# Altium PCB press.PcbDoc (part 2 of 2)
Units mm, origin at the board's own origin, x right, y up, seen from the top; angles counter-clockwise.
Board outline 85.85 x 55.75 mm, 2 copper layers (Top Layer, Bottom Layer); 179 components, 131 nets, 581 pads, 286 vias.
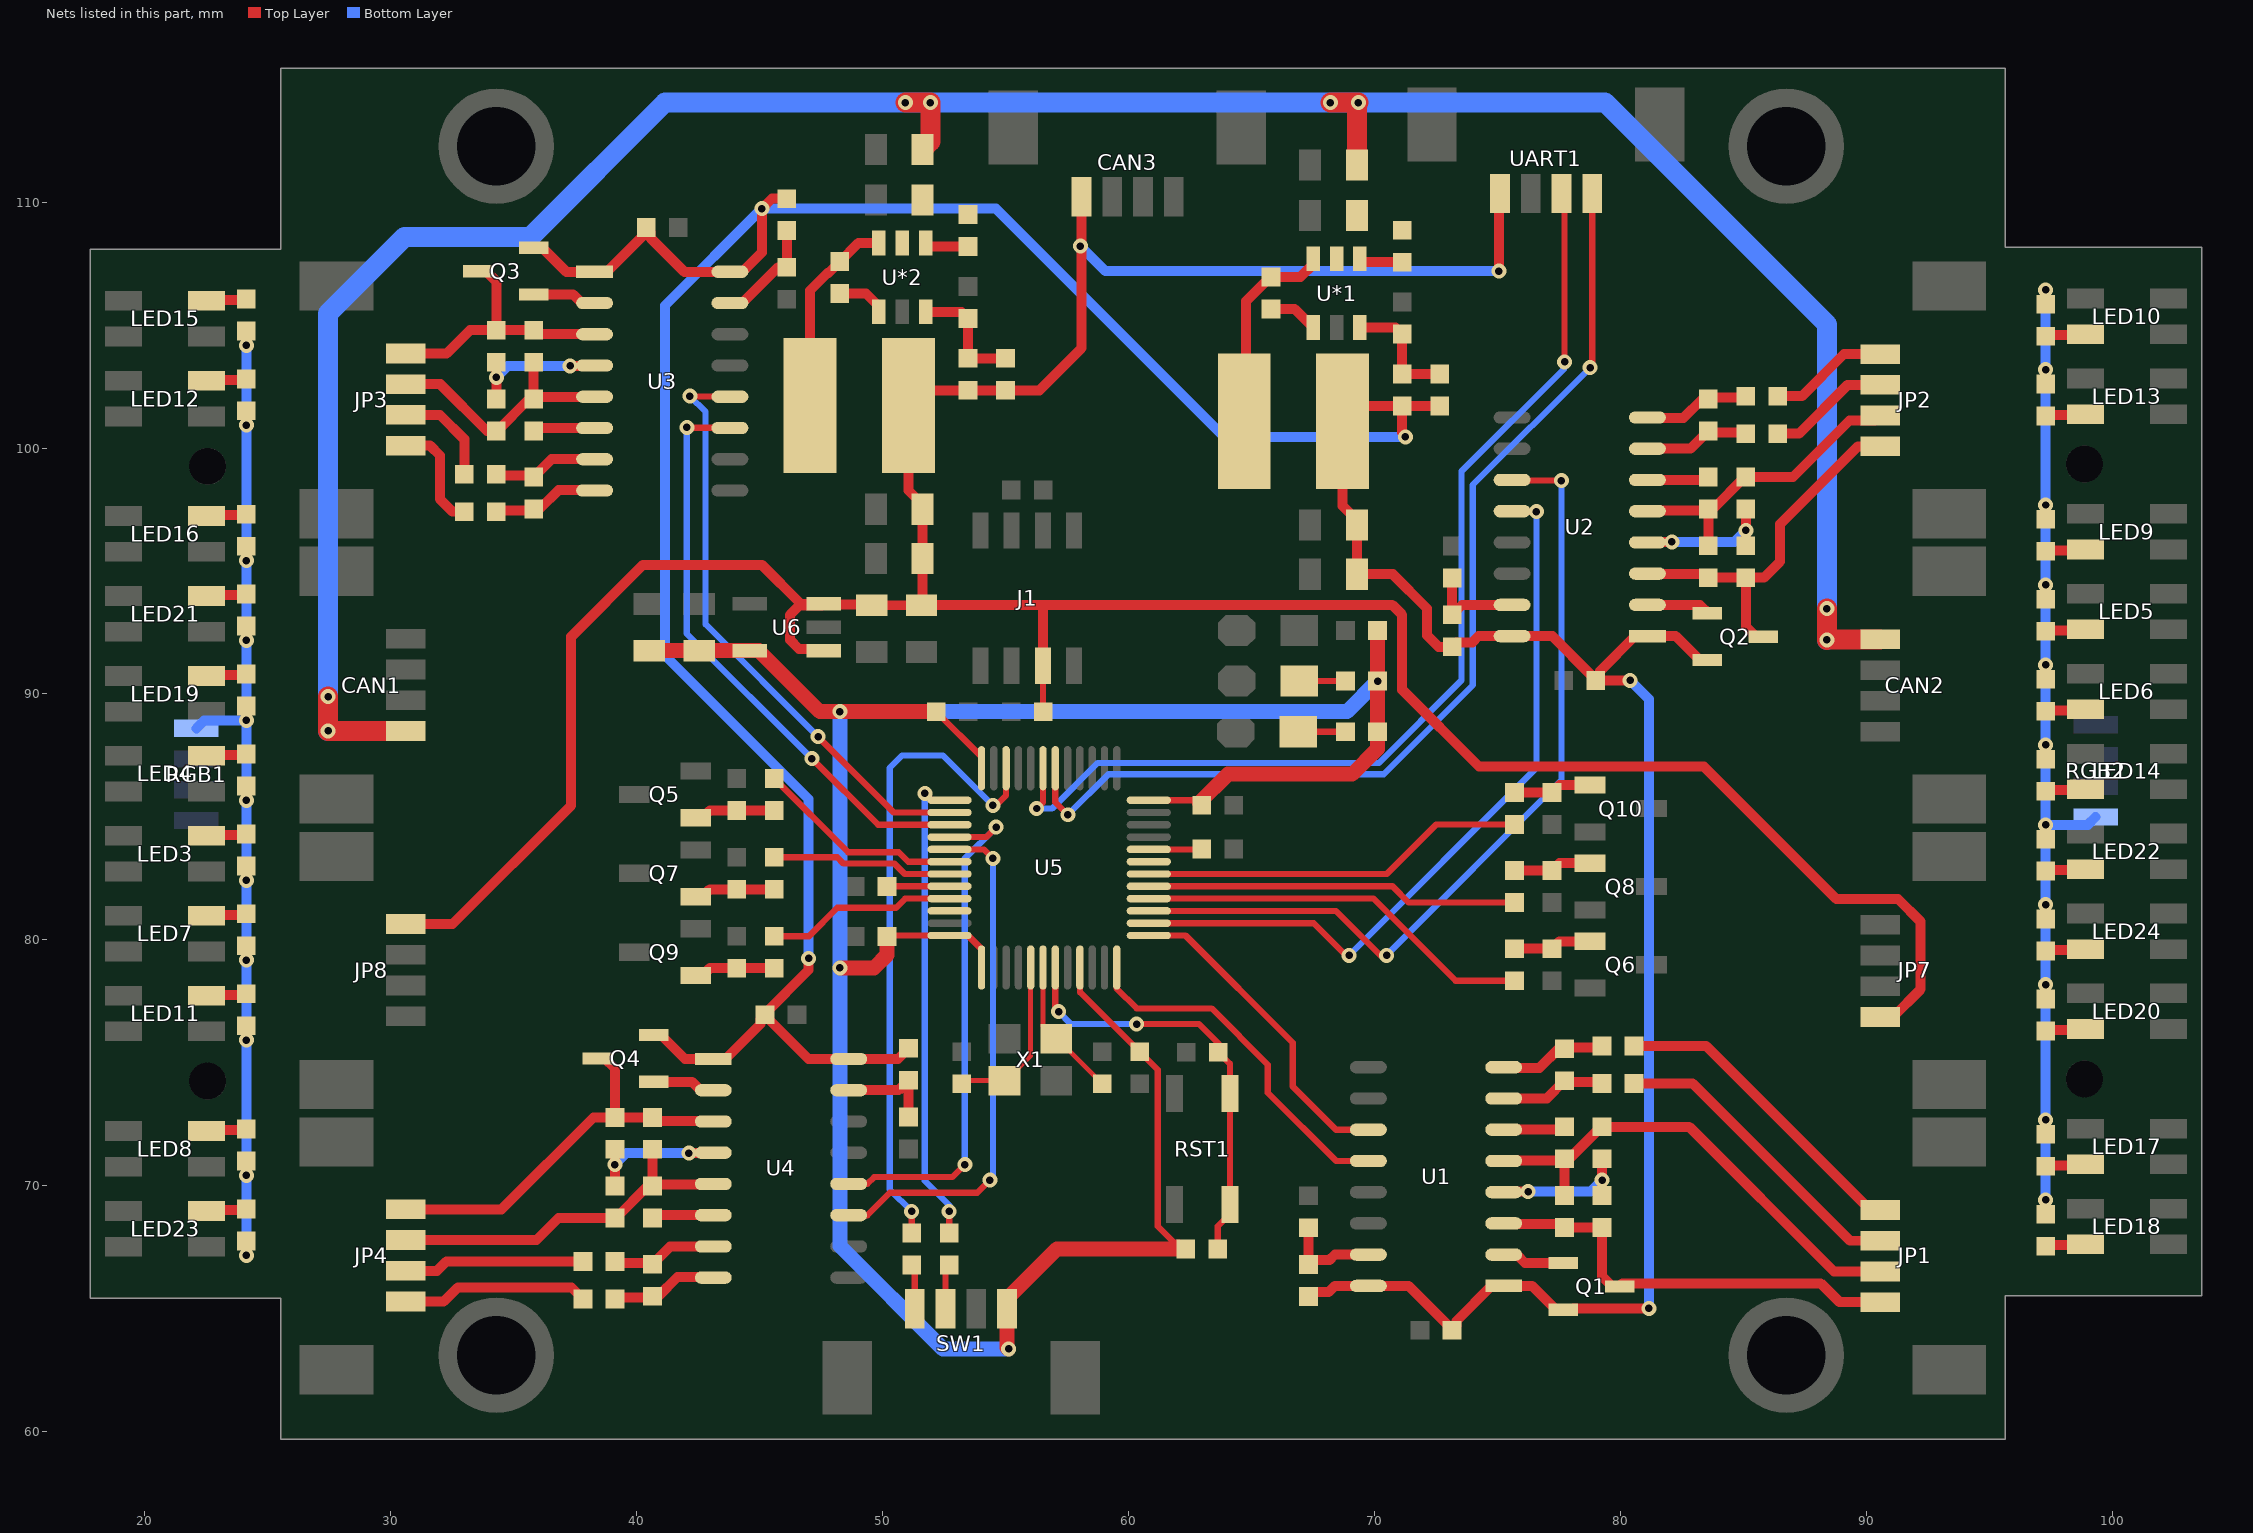
[diagram p2: the nets of this part, all layers, seen from the top]

## Via types
v1: diameter 0.61, hole 0.305, Top Layer to Bottom Layer, tented both sides, 286 vias

## Nets (pads, with @x,y where several pads share a name; then routed paths per layer and width w, separated by ;. In a path a pad name is that pad's centre, name@x,y a point inside that pad or via, vN(x,y) a via of type N, cw(c..) or ccw(c..) an arc to the next point about the centre after c; other vN are vias at no path point) (continued)
NET_RGB1_VCC: C25.2 C27.2 C34.1 C36.2 C37.2 C38.2 CAN3.4 J1.3 JP7.1 JP8.1 L2.2 R36.2 U6.1 U6.3 UART1.4 | length 136
  Top Layer w0.254: J1.3@56.515,91.147 56.515,89.296 C34.1@56.53,89.281
  Top Layer w0.406: JP8.1@30.607,80.647 32.514,80.647 37.338,85.471 37.338,92.329 40.259,95.25 45.085,95.25 46.675,93.66 U6.3@47.601,93.66 ; U6.1@47.601,91.76 47.529,91.832 46.598,91.832 46.228,92.202 46.228,93.218 46.598,93.588 47.529,93.588 U6.3@47.601,93.66 ; 56.464,93.574 56.413,93.624 ; J1.3@56.515,91.147 56.515,93.523 56.413,93.624 ; CAN3.4@58.083,110.219 58.083,104.057 56.373,102.347 C36.2@54.991,102.347 R36.2@53.467,102.347 51.668,102.347 L2.2@51.048,101.727 51.048,98.278 51.625,97.701 C37.2@51.625,97.51 C38.2@51.625,95.504 C25.2@51.625,93.649 ; v1(75.057,107.188) 75.057,110.303 UART1.4@75.101,110.346 ; JP7.1@90.551,76.87 91.076,76.87 92.202,77.996 92.202,80.743 91.284,81.661 88.773,81.661 83.384,87.05 74.24,87.05 71.12,90.17 71.12,93.218 70.714,93.624 56.413,93.624 ; U6.3@47.601,93.66 47.627,93.634 49.526,93.634 C27.2@49.552,93.607 C25.2@51.584,93.607 C25.2@51.625,93.649 ; C25.2@51.625,93.649 51.65,93.624 56.413,93.624
  Bottom Layer w0.406: v1(58.039,108.204) 59.055,107.188 v1(75.057,107.188)
NetC7_1: C7.1 R9.2 U1.7 | length 4.3
  Top Layer w0.406: U1.7@75.25,73.557 77.001,73.557 C7.1@77.724,74.28 77.78,74.224 79.192,74.224 R9.2@79.248,74.168
NetC7_2: C7.2 R11.2 U1.8 | length 4.4
  Top Layer w0.406: U1.8@75.25,74.827 75.274,74.803 76.708,74.803 77.485,75.58 C7.2@77.724,75.58 77.78,75.636 79.192,75.636 R11.2@79.248,75.692
NetC8_1: C8.1 R10.2 U2.7 | length 4.3
  Top Layer w0.406: U2.7@81.092,99.973 82.843,99.973 C8.1@83.566,100.696 83.622,100.64 85.034,100.64 R10.2@85.09,100.584
NetC8_2: C8.2 R12.2 U2.8 | length 4.4
  Top Layer w0.406: U2.8@81.092,101.243 81.116,101.219 82.55,101.219 83.327,101.996 C8.2@83.566,101.996 83.622,102.052 85.034,102.052 R12.2@85.09,102.108
NetC15_1: C15.1 R21.2 U3.7 | length 4.3
  Top Layer w0.406: R21.2@34.29,98.933 34.346,98.877 35.758,98.877 C15.1@35.814,98.821 36.537,99.544 U3.7@38.288,99.544
NetC15_2: C15.2 R23.2 U3.8 | length 4.4
  Top Layer w0.406: R23.2@34.29,97.409 34.346,97.465 35.758,97.465 C15.2@35.814,97.521 36.053,97.521 36.83,98.298 38.264,98.298 U3.8@38.288,98.274
NetC16_1: C16.1 R22.2 U4.7 | length 4.3
  Top Layer w0.406: R22.2@39.116,66.929 39.172,66.873 40.584,66.873 C16.1@40.64,66.817 41.363,67.54 U4.7@43.114,67.54
NetC16_2: C16.2 R24.2 U4.8 | length 4.4
  Top Layer w0.406: R24.2@39.116,65.405 39.172,65.461 40.584,65.461 C16.2@40.64,65.517 40.879,65.517 41.656,66.294 43.09,66.294 U4.8@43.114,66.27
NetC17_1: C17.1 U*1.1 | length 2
  Top Layer w0.406: C17.1@65.786,105.649 66.753,105.649 U*1.1@67.503,104.899
NetC17_2: C17.2 L1.1 U*1.6 | length 8.5
  Top Layer w0.406: L1.1@64.701,101.092 64.77,101.161 64.77,105.97 65.572,106.771 65.608,106.771 C17.2@65.786,106.949 66.978,106.949 67.503,107.474 U*1.6@67.503,107.699
NetC18_1: C18.1 R27.1 R28.2 U*1.3 | length 5
  Top Layer w0.406: U*1.3@69.403,104.899 70.854,104.899 R28.2@71.12,104.633 R27.1@71.12,103.012 C18.1@72.644,103.012
NetC23_1: C23.1 U5.5 X1.3 | length 6.9
  Top Layer w0.203: C23.1@53.213,74.153 53.337,74.277 X1.3@54.957,74.277 55.007,74.277 56.019,75.289 U5.5@56.019,78.881
NetC24_1: C24.1 U5.6 X1.1 | length 5.8
  Top Layer w0.203: U5.6@56.519,78.881 56.519,76.476 57.017,75.977 X1.1@57.057,75.977 57.107,75.977 57.605,75.479 57.605,75.476 C24.1@58.928,74.153
NetC35_1: C35.1 U*2.1 | length 2
  Top Layer w0.406: C35.1@48.26,106.284 49.325,106.284 49.85,105.759 U*2.1@49.85,105.534
NetC35_2: C35.2 L2.1 U*2.6 | length 8.3
  Top Layer w0.406: L2.1@47.048,101.727 47.048,106.409 47.758,107.119 47.795,107.119 C35.2@48.26,107.584 49.01,108.334 U*2.6@49.85,108.334
NetC36_1: C36.1 R36.1 R38.2 U*2.3 | length 5
  Top Layer w0.406: U*2.3@51.75,105.534 53.201,105.534 R38.2@53.467,105.268 R36.1@53.467,103.647 C36.1@54.991,103.647
NetLED1_1: LED1.1 R37.2 | length 1.9
  Top Layer w0.254: LED1.1@66.899,88.468 R37.2@68.819,88.468
NetLED2_1: LED2.1 R39.2 | length 1.9
  Top Layer w0.254: LED2.1@66.929,90.526 R39.2@68.819,90.526
NetLED3_4: LED3.4 R40.2 | length 1.6
  Top Layer w0.406: LED3.4@22.517,84.233 22.556,84.271 24.091,84.271 R40.2@24.13,84.31
NetLED4_4: LED4.4 R41.2 | length 1.6
  Top Layer w0.406: LED4.4@22.517,87.483 22.556,87.521 24.091,87.521 R41.2@24.13,87.56
NetLED5_4: LED5.4 R42.2 | length 1.6
  Top Layer w0.406: R42.2@97.282,92.549 97.321,92.588 98.856,92.588 LED5.4@98.895,92.626
NetLED6_4: LED6.4 R43.2 | length 1.6
  Top Layer w0.406: R43.2@97.282,89.299 97.321,89.338 98.856,89.338 LED6.4@98.895,89.376
NetLED7_4: LED7.4 R44.2 | length 1.6
  Top Layer w0.406: LED7.4@22.517,80.983 22.556,81.021 24.091,81.021 R44.2@24.13,81.06
NetLED8_4: LED8.4 R45.2 | length 1.6
  Top Layer w0.406: LED8.4@22.517,72.233 22.556,72.271 24.091,72.271 R45.2@24.13,72.31
NetLED9_4: LED9.4 R46.2 | length 1.6
  Top Layer w0.406: R46.2@97.282,95.799 97.321,95.838 98.856,95.838 LED9.4@98.895,95.876
NetLED10_4: LED10.4 R47.2 | length 1.6
  Top Layer w0.406: R47.2@97.282,104.549 97.321,104.588 98.856,104.588 LED10.4@98.895,104.626
NetLED11_4: LED11.4 R52.2 | length 1.6
  Top Layer w0.406: LED11.4@22.517,77.733 22.556,77.771 24.091,77.771 R52.2@24.13,77.81
NetLED12_4: LED12.4 R53.2 | length 1.6
  Top Layer w0.406: LED12.4@22.517,102.733 22.556,102.771 24.091,102.771 R53.2@24.13,102.81
NetLED13_4: LED13.4 R54.2 | length 1.6
  Top Layer w0.406: R54.2@97.282,101.299 97.321,101.338 98.856,101.338 LED13.4@98.895,101.376
NetLED14_4: LED14.4 R55.2 | length 1.6
  Top Layer w0.406: R55.2@97.282,86.049 97.321,86.088 98.856,86.088 LED14.4@98.895,86.126
NetLED15_4: LED15.4 R56.2 | length 1.6
  Top Layer w0.406: LED15.4@22.517,105.983 22.556,106.021 24.091,106.021 R56.2@24.13,106.06
NetLED16_4: LED16.4 R57.2 | length 1.6
  Top Layer w0.406: LED16.4@22.517,97.233 22.556,97.271 24.091,97.271 R57.2@24.13,97.31
NetLED17_4: LED17.4 R58.2 | length 1.6
  Top Layer w0.406: R58.2@97.282,70.799 97.321,70.838 98.856,70.838 LED17.4@98.895,70.876
NetLED18_4: LED18.4 R59.2 | length 1.6
  Top Layer w0.406: R59.2@97.282,67.549 97.321,67.588 98.856,67.588 LED18.4@98.895,67.626
NetLED19_4: LED19.4 R62.2 | length 1.6
  Top Layer w0.406: LED19.4@22.517,90.733 22.556,90.771 24.091,90.771 R62.2@24.13,90.81
NetLED20_4: LED20.4 R63.2 | length 1.6
  Top Layer w0.406: R63.2@97.282,76.299 97.321,76.338 98.856,76.338 LED20.4@98.895,76.376
NetLED21_4: LED21.4 R66.2 | length 1.6
  Top Layer w0.406: LED21.4@22.517,93.983 22.556,94.021 24.091,94.021 R66.2@24.13,94.06
NetLED22_4: LED22.4 R67.2 | length 1.6
  Top Layer w0.406: R67.2@97.282,82.799 97.321,82.838 98.856,82.838 LED22.4@98.895,82.876
NetLED23_4: LED23.4 R68.2 | length 1.6
  Top Layer w0.406: LED23.4@22.517,68.983 22.556,69.021 24.091,69.021 R68.2@24.13,69.06
NetLED24_4: LED24.4 R69.2 | length 1.6
  Top Layer w0.406: R69.2@97.282,79.549 97.321,79.588 98.856,79.588 LED24.4@98.895,79.626
NetQ1_1: Q1.1 U1.2 | length 2.6
  Top Layer w0.406: U1.2@75.25,67.207 75.776,67.207 76.119,66.863 Q1.1@77.724,66.863
NetQ2_1: Q2.1 U2.2 | length 2.6
  Top Layer w0.406: U2.2@81.092,93.623 81.618,93.623 83.222,93.623 Q2.1@83.566,93.279
NetQ3_1: Q3.1 U3.2 | length 2.6
  Top Layer w0.406: Q3.1@35.814,106.238 37.419,106.238 37.762,105.894 U3.2@38.288,105.894
NetQ4_1: Q4.1 U4.2 | length 2.6
  Top Layer w0.406: Q4.1@40.64,74.234 42.245,74.234 42.588,73.89 U4.2@43.114,73.89
NetQ5_1: Q5.1 R48.1 R50.2 | length 3.3
  Top Layer w0.406: Q5.1@42.398,84.965 42.673,84.965 42.973,85.265 R50.2@44.069,85.265 R48.1@45.593,85.265
NetQ6_1: Q6.1 R49.1 R51.2 | length 3.2
  Top Layer w0.406: R49.1@75.692,79.644 R51.2@77.216,79.644 77.516,79.944 Q6.1@78.76,79.944
NetQ7_1: Q7.1 R60.1 R64.2 | length 3.3
  Top Layer w0.406: Q7.1@42.398,81.759 42.673,81.759 42.973,82.058 R64.2@44.069,82.058 R60.1@45.593,82.058
NetQ8_1: Q8.1 R61.1 R65.2 | length 3.2
  Top Layer w0.406: R61.1@75.692,82.819 R65.2@77.216,82.819 77.516,83.119 Q8.1@78.76,83.119
NetQ9_1: Q9.1 R70.1 R72.2 | length 3.3
  Top Layer w0.406: Q9.1@42.398,78.552 42.673,78.552 42.973,78.852 R72.2@44.069,78.852 R70.1@45.593,78.852
NetQ10_1: Q10.1 R71.1 R73.2 | length 3.2
  Top Layer w0.406: R71.1@75.692,85.994 R73.2@77.216,85.994 77.516,86.294 Q10.1@78.76,86.294
NetR1_1: R1.1 R3.1 U1.15 | length 4.1
  Top Layer w0.406: R3.1@67.31,68.296 R1.1@67.31,66.802 67.488,66.98 68.16,66.98 68.387,67.207 U1.15@69.746,67.207
NetR2_1: R2.1 R4.1 U2.15 | length 4.1
  Top Layer w0.406: R4.1@73.152,94.712 R2.1@73.152,93.218 73.557,93.623 U2.15@75.588,93.623
NetR5_2: R5.2 R7.2 U1.4 | length 5.7
  Top Layer w0.406: U1.4@75.25,69.747 75.268,69.764 v1(76.241,69.764) ; R5.2@79.248,69.611 v1(79.248,70.231) R7.2@79.248,71.105
  Bottom Layer w0.406: v1(76.241,69.764) 78.781,69.764 v1(79.248,70.231)
NetR6_2: R6.2 R8.2 U2.4 | length 5.7
  Top Layer w0.406: U2.4@81.092,96.163 81.11,96.18 v1(82.083,96.18) ; R6.2@85.09,96.027 v1(85.09,96.647) R8.2@85.09,97.521
  Bottom Layer w0.406: v1(82.083,96.18) 84.623,96.18 v1(85.09,96.647)
NetR13_1: R13.1 R15.1 U3.15 | length 4.4
  Top Layer w0.406: U3.15@43.792,105.894 44.292,105.894 45.742,107.345 R15.1@46.101,107.345 R13.1@46.101,108.839
NetR14_1: R14.1 R16.1 U4.15 | length 4.1
  Top Layer w0.406: U4.15@48.618,73.89 50.649,73.89 R14.1@51.054,74.295 R16.1@51.054,72.801
NetR17_2: R17.2 R19.2 U3.4 | length 5.7
  Top Layer w0.406: R19.2@34.29,101.996 v1(34.29,102.87) R17.2@34.29,103.49 ; v1(37.297,103.337) 38.27,103.337 U3.4@38.288,103.354
  Bottom Layer w0.406: v1(34.29,102.87) 34.757,103.337 v1(37.297,103.337)
NetR18_2: R18.2 R20.2 U4.4 | length 5.7
  Top Layer w0.406: R20.2@39.116,69.992 v1(39.116,70.866) R18.2@39.116,71.486 ; v1(42.123,71.333) 43.096,71.333 U4.4@43.114,71.35
  Bottom Layer w0.406: v1(39.116,70.866) 39.583,71.333 v1(42.123,71.333)
NetR25_1: R25.1 U5.20 | length 2.2
  Top Layer w0.254: U5.20@60.819,83.681 62.965,83.681 R25.1@62.977,83.693
NetR26_1: R26.1 U*1.4 | length 1.8
  Top Layer w0.406: U*1.4@69.403,107.699 69.403,107.626 69.475,107.554 R26.1@71.12,107.554
NetR29_1: R29.1 U5.44 | length 2.5
  Top Layer w0.254: R29.1@50.18,82.169 50.192,82.181 U5.44@52.719,82.181
NetR33_2: R33.2 SW1.1 | length 1.8
  Top Layer w0.254: R33.2@51.181,66.787 51.306,66.662 SW1.1@51.306,65.011
NetR34_2: R34.2 SW1.2 | length 1.8
  Top Layer w0.254: SW1.2@52.556,65.011 52.556,66.638 R34.2@52.705,66.787
NetR35_1: R35.1 U*2.4 | length 1.8
  Top Layer w0.406: U*2.4@51.75,108.334 51.75,108.261 51.822,108.189 R35.1@53.467,108.189
PWM1_B: R70.2 U5.45 | length 7.8
  Top Layer w0.254: R70.2@45.593,80.152 47.005,80.152 48.158,81.305 50.545,81.305 50.921,81.681 U5.45@52.719,81.681
PWM1_G: R60.2 U5.43 | length 7.4
  Top Layer w0.254: R60.2@45.593,83.358 48.153,83.358 48.403,83.109 50.469,83.109 50.897,82.681 U5.43@52.719,82.681
PWM1_R: R48.2 U5.42 | length 8.5
  Top Layer w0.254: R48.2@45.593,86.565 48.592,83.566 50.659,83.566 51.044,83.181 U5.42@52.719,83.181
PWM2_B: R71.2 U5.18 | length 15.7
  Top Layer w0.254: U5.18@60.819,82.681 70.489,82.681 72.502,84.694 R71.2@75.692,84.694
PWM2_G: R61.2 U5.17 | length 15.1
  Top Layer w0.254: U5.17@60.819,82.181 70.727,82.181 71.389,81.519 R61.2@75.692,81.519
PWM2_R: R49.2 U5.16 | length 16.3
  Top Layer w0.254: U5.16@60.819,81.681 69.957,81.681 73.294,78.344 R49.2@75.692,78.344
RGB1_VCC: R40.1 R41.1 R44.1 R45.1 R52.1 R53.1 R56.1 R57.1 R62.1 R66.1 R68.1 RGB1.4 | length 45.6
  Top Layer w0.406: v1(24.13,67.176) R68.1@24.13,67.76 ; v1(24.13,70.426) R45.1@24.13,71.01 ; v1(24.13,75.926) R52.1@24.13,76.51 ; v1(24.13,79.176) R44.1@24.13,79.76 ; v1(24.13,82.426) R40.1@24.13,83.01 ; v1(24.13,85.676) R41.1@24.13,86.26 ; v1(24.13,88.926) R62.1@24.13,89.51 ; v1(24.13,92.176) R66.1@24.13,92.76 ; v1(24.13,95.426) R57.1@24.13,96.01 ; v1(24.13,100.926) R53.1@24.13,101.51 ; v1(24.13,104.176) R56.1@24.13,104.76
  Bottom Layer w0.406: RGB1.4@22.098,88.606 22.418,88.926 v1(24.13,88.926) ; v1(24.13,67.176) v1(24.13,70.426) v1(24.13,75.926) v1(24.13,79.176) v1(24.13,82.426) v1(24.13,85.676) v1(24.13,88.926) ; v1(24.13,104.176) v1(24.13,100.926) v1(24.13,95.426) v1(24.13,92.176) v1(24.13,88.926)
RGB2_VCC: R42.1 R43.1 R46.1 R47.1 R54.1 R55.1 R58.1 R59.1 R63.1 R67.1 R69.1 RGB2.4 | length 45.6
  Top Layer w0.406: R59.1@97.282,68.849 v1(97.282,69.433) ; R58.1@97.282,72.099 v1(97.282,72.683) ; R63.1@97.282,77.599 v1(97.282,78.183) ; R69.1@97.282,80.849 v1(97.282,81.433) ; R67.1@97.282,84.099 v1(97.282,84.683) ; R55.1@97.282,87.349 v1(97.282,87.933) ; R43.1@97.282,90.599 v1(97.282,91.183) ; R42.1@97.282,93.849 v1(97.282,94.433) ; R46.1@97.282,97.099 v1(97.282,97.683) ; R54.1@97.282,102.599 v1(97.282,103.183) ; R47.1@97.282,105.849 v1(97.282,106.433)
  Bottom Layer w0.406: v1(97.282,69.433) v1(97.282,72.683) v1(97.282,78.183) v1(97.282,81.433) v1(97.282,84.683) ; v1(97.282,106.433) v1(97.282,103.183) v1(97.282,97.683) v1(97.282,94.433) v1(97.282,91.183) v1(97.282,87.933) v1(97.282,84.683) ; RGB2.4@99.314,85.003 98.994,84.683 v1(97.282,84.683)
RST: C29.2 R31.1 RST1.1 U5.7 | length 17.6
  Top Layer w0.254: U5.7@57.019,78.881 57.019,77.316 57.15,77.185 v1(57.15,77.089) ; v1(60.325,76.581) 62.865,76.581 63.642,75.804 C29.2@63.642,75.438 64.117,74.963 RST1.1@64.117,73.751 RST1.1@64.117,69.251 64.117,68.851 63.627,68.361 R31.1@63.627,67.437
  Bottom Layer w0.254: v1(57.15,77.089) 57.658,76.581 v1(60.325,76.581)
SWCLK: R34.1 U5.37 | length 19.4
  Top Layer w0.254: v1(51.711,85.957) 51.987,85.681 U5.37@52.719,85.681 ; R34.1@52.705,68.087 v1(52.705,68.961)
  Bottom Layer w0.254: v1(51.711,85.957) 51.711,70.209 52.705,69.215 v1(52.705,68.961)
SWDIO: R33.1 U5.34 | length 26.3
  Top Layer w0.254: R33.1@51.181,68.087 v1(51.181,68.961) ; v1(54.483,85.471) 54.61,85.471 55.01,85.871 55.01,86.972 U5.34@55.019,86.981
  Bottom Layer w0.254: v1(51.181,68.961) 50.292,69.85 50.292,86.995 50.8,87.503 52.451,87.503 v1(54.483,85.471)
TIM3_CH4: U5.19
TIM4_CH4: U5.46
U1_AGND: C3.1 C5.2 JP1.2 R7.1 U1.5 | length 19.8
  Top Layer w0.406: U1.5@75.25,71.017 75.268,71.034 77.653,71.034 C5.2@77.724,71.105 ; C3.1@77.724,69.611 C5.2@77.724,71.105 ; JP1.2@90.551,66.52 88.674,66.52 82.789,72.405 R7.1@79.248,72.405 79.211,72.405 77.911,71.105 C5.2@77.724,71.105
U1_AVDD: C3.2 JP1.1 Q1.3 R5.1 U1.3 | length 17.9
  Top Layer w0.406: U1.3@75.25,68.477 75.268,68.459 77.576,68.459 C3.2@77.724,68.311 R5.1@79.248,68.311 79.248,66.325 79.66,65.913 Q1.3@79.96,65.913 ; Q1.3@80.01,65.913 Q1.3@79.96,65.913 ; JP1.1@90.551,65.27 88.908,65.27 88.138,66.04 80.087,66.04 Q1.3@79.96,65.913
U1_DOUT: U1.12 U5.12 | length 14.7
  Top Layer w0.254: U5.12@59.519,78.881 59.519,78.022 60.325,77.216 63.373,77.216 65.659,74.93 65.659,73.787 68.429,71.017 U1.12@69.746,71.017
U1_IN+: JP1.4 R11.1 | length 12.8
  Top Layer w0.406: R11.1@80.548,75.692 83.479,75.692 90.151,69.02 JP1.4@90.551,69.02
U1_IN-: JP1.3 R9.1 | length 12.7
  Top Layer w0.406: R9.1@80.548,74.168 82.931,74.168 89.329,67.77 JP1.3@90.551,67.77
U1_SCK: U1.11 U5.13 | length 13.2
  Top Layer w0.254: U5.13@60.819,80.181 62.313,80.181 66.675,75.819 66.675,74.041 68.429,72.287 U1.11@69.746,72.287
U1_VBG: C5.1 U1.6 | length 2.5
  Top Layer w0.406: U1.6@75.25,72.287 77.605,72.287 C5.1@77.724,72.405
U1_VCC: C1.1 C2.1 C9.1 C10.1 C18.2 C19.2 C20.2 L1.2 Q1.2 Q2.2 Q3.2 Q4.2 R1.2 R2.2 R13.2 R14.2 R27.2 U1.1 U1.16 U2.1 U2.16 U3.1 U3.16 U4.1 U4.16 | length 169
  Top Layer w0.406: Q3.2@35.814,108.138 36.164,108.138 37.138,107.164 U3.1@38.288,107.164 38.788,107.164 40.212,108.589 C9.1@40.212,108.788 ; C9.1@40.39,108.966 C9.1@40.212,108.788 ; Q4.2@40.64,76.134 40.99,76.134 41.964,75.16 43.614,75.16 45.038,76.585 C10.1@45.038,76.784 ; R13.2@46.101,110.139 45.496,110.139 v1(45.085,109.728) 45.085,107.95 44.299,107.164 U3.16@43.792,107.164 41.934,107.164 40.568,108.53 40.568,108.788 C9.1@40.212,108.788 ; v1(46.99,79.248) 46.99,78.773 45.216,76.999 C10.1@45.216,76.962 C10.1@45.038,76.784 ; R14.2@51.054,75.595 50.619,75.16 U4.16@48.618,75.16 46.98,75.16 45.394,76.747 45.394,76.784 C10.1@45.038,76.784 ; R1.2@67.31,65.502 67.488,65.68 68.13,65.68 68.387,65.937 U1.16@69.746,65.937 71.384,65.937 72.97,64.35 72.97,64.313 C1.1@73.326,64.313 ; v1(71.247,100.457) 71.247,100.512 71.12,100.639 R27.2@71.12,101.712 ; C18.2@72.644,101.712 R27.2@71.12,101.712 ; C1.1@73.148,64.135 C1.1@73.326,64.313 ; Q1.2@77.724,64.963 Q1.2@77.674,64.963 ; v1(80.391,90.551) C2.1@78.99,90.551 C2.1@79.168,90.729 ; v1(81.153,65.024) 78.085,65.024 78.024,64.963 Q1.2@77.674,64.963 ; Q2.2@83.566,91.379 Q2.2@83.516,91.379 83.216,91.379 82.242,92.353 80.592,92.353 79.168,90.928 C2.1@79.168,90.729 ; R27.2@71.12,101.712 69.321,101.712 L1.2@68.701,101.092 68.701,97.643 69.278,97.066 C20.2@69.278,96.875 C19.2@69.278,94.869 70.739,94.869 72.136,93.472 72.136,92.385 72.603,91.918 R2.2@73.152,91.918 73.33,92.096 73.972,92.096 74.229,92.353 U2.16@75.588,92.353 77.226,92.353 78.812,90.766 78.812,90.729 C2.1@79.168,90.729 ; C1.1@73.326,64.313 73.326,64.512 74.75,65.937 76.4,65.937 77.374,64.963 Q1.2@77.674,64.963
  Bottom Layer w0.406: v1(46.99,79.248) 46.99,85.725 41.148,91.567 41.148,105.791 v1(45.085,109.728) 54.61,109.728 63.881,100.457 v1(71.247,100.457) ; v1(80.391,90.551) 81.153,89.789 v1(81.153,65.024)
U2_AGND: C4.1 C6.2 JP2.2 R8.1 U2.5 | length 12.6
  Top Layer w0.406: U2.5@81.092,97.433 81.11,97.45 83.495,97.45 C6.2@83.566,97.521 ; C4.1@83.566,96.027 C6.2@83.566,97.521 ; JP2.2@90.551,101.318 90.354,101.122 89.311,101.122 87.01,98.821 R8.1@85.09,98.821 85.053,98.821 83.753,97.521 C6.2@83.566,97.521
U2_AVDD: C4.2 JP2.1 Q2.3 R6.1 U2.3 | length 15.6
  Top Layer w0.406: U2.3@81.092,94.893 81.11,94.875 83.418,94.875 C4.2@83.566,94.727 R6.1@85.09,94.727 ; Q2.3@85.852,92.329 Q2.3@85.802,92.329 85.502,92.329 85.09,92.741 R6.1@85.09,94.727 ; JP2.1@90.551,100.068 89.654,100.068 86.487,96.901 86.487,95.377 85.837,94.727 R6.1@85.09,94.727
U2_DOUT: U2.12 U5.14 | length 30.9
  Top Layer w0.254: U5.14@60.819,80.681 67.528,80.681 68.834,79.375 v1(68.961,79.375) ; U2.12@75.588,97.433 75.612,97.409 v1(76.581,97.409)
  Bottom Layer w0.254: v1(68.961,79.375) 76.581,86.995 v1(76.581,97.409)
U2_IN+: JP2.4 R12.1 | length 4.9
  Top Layer w0.406: R12.1@86.39,102.108 87.376,102.108 89.086,103.818 JP2.4@90.551,103.818
U2_IN-: JP2.3 R10.1 | length 5
  Top Layer w0.406: R10.1@86.39,100.584 87.249,100.584 89.233,102.568 JP2.3@90.551,102.568
U2_SCK: U2.11 U5.15 | length 34.7
  Top Layer w0.254: U5.15@60.819,81.181 68.425,81.181 70.231,79.375 v1(70.485,79.375) ; U2.11@75.588,98.703 75.612,98.679 v1(77.597,98.679)
  Bottom Layer w0.254: v1(70.485,79.375) 77.597,86.487 v1(77.597,98.679)
U2_VBG: C6.1 U2.6 | length 2.5
  Top Layer w0.406: U2.6@81.092,98.703 83.447,98.703 C6.1@83.566,98.821
U3_AGND: C11.1 C13.2 JP3.2 R19.1 U3.5 | length 10.5
  Top Layer w0.406: JP3.2@30.607,102.596 32.017,102.596 33.917,100.696 R19.1@34.29,100.696 34.327,100.696 35.627,101.996 C13.2@35.814,101.996 ; C11.1@35.814,103.49 C13.2@35.814,101.996 ; U3.5@38.288,102.084 38.27,102.067 35.885,102.067 C13.2@35.814,101.996
U3_AVDD: C11.2 JP3.1 Q3.3 R17.1 U3.3 | length 11.1
  Top Layer w0.406: JP3.1@30.607,103.846 32.275,103.846 33.219,104.79 R17.1@34.29,104.79 ; Q3.3@33.528,107.188 33.878,107.188 34.29,106.776 R17.1@34.29,104.79 ; U3.3@38.288,104.624 38.27,104.642 35.962,104.642 C11.2@35.814,104.79 R17.1@34.29,104.79
U3_DOUT: U3.12 U5.38 | length 24.3
  Top Layer w0.254: v1(42.164,102.108) 42.176,102.096 43.78,102.096 U3.12@43.792,102.084 ; v1(47.371,88.265) 50.455,85.181 U5.38@52.719,85.181
  Bottom Layer w0.254: v1(42.164,102.108) 42.799,101.473 42.799,92.837 v1(47.371,88.265)
U3_IN+: JP3.4 R23.1 | length 4.5
  Top Layer w0.406: JP3.4@30.607,100.096 31.603,100.096 32.004,99.695 32.004,97.917 32.512,97.409 R23.1@32.99,97.409
U3_IN-: JP3.3 R21.1 | length 4.2
  Top Layer w0.406: JP3.3@30.607,101.346 32.004,101.346 32.99,100.36 R21.1@32.99,98.933
U3_SCK: U3.11 U5.39 | length 24
  Top Layer w0.254: v1(42.037,100.838) 42.049,100.826 43.78,100.826 U3.11@43.792,100.814 ; v1(47.117,87.376) 49.812,84.681 U5.39@52.719,84.681
  Bottom Layer w0.254: v1(42.037,100.838) 42.037,92.456 v1(47.117,87.376)
U3_VBG: C13.1 U3.6 | length 2.5
  Top Layer w0.406: C13.1@35.814,100.696 35.933,100.814 U3.6@38.288,100.814
U4_AGND: C12.1 C14.2 JP4.2 R20.1 U4.5 | length 14.9
  Top Layer w0.406: JP4.2@30.607,67.798 35.921,67.798 36.815,68.692 39.153,68.692 40.453,69.992 C14.2@40.64,69.992 ; C12.1@40.64,71.486 C14.2@40.64,69.992 ; U4.5@43.114,70.08 43.096,70.063 40.711,70.063 C14.2@40.64,69.992
U4_AVDD: C12.2 JP4.1 Q4.3 R18.1 U4.3 | length 17
  Top Layer w0.406: JP4.1@30.607,69.048 34.504,69.048 38.242,72.786 R18.1@39.116,72.786 ; Q4.3@38.354,75.184 38.704,75.184 39.116,74.772 R18.1@39.116,72.786 ; U4.3@43.114,72.62 43.096,72.638 40.788,72.638 C12.2@40.64,72.786 R18.1@39.116,72.786
U4_DOUT: U4.12 U5.40 | length 21.3
  Top Layer w0.254: U4.12@48.618,70.08 49.379,70.08 49.657,70.358 52.832,70.358 v1(53.34,70.866) ; U5.40@52.719,84.181 54.209,84.181 v1(54.61,84.582)
  Bottom Layer w0.254: v1(53.34,70.866) 53.34,83.312 v1(54.61,84.582)
U4_IN+: JP4.4 R24.1 | length 7.6
  Top Layer w0.406: JP4.4@30.607,65.298 32.151,65.298 32.728,65.875 37.346,65.875 R24.1@37.816,65.405
U4_IN-: JP4.3 R22.1 | length 7.4
  Top Layer w0.406: JP4.3@30.607,66.548 31.877,66.548 32.258,66.929 R22.1@37.816,66.929
U4_SCK: U4.11 U5.41 | length 21.4
  Top Layer w0.254: U4.11@48.618,68.81 49.379,68.81 50.292,69.723 53.848,69.723 v1(54.356,70.231) ; U5.41@52.719,83.681 54.114,83.681 v1(54.483,83.312)
  Bottom Layer w0.254: v1(54.356,70.231) 54.483,70.358 v1(54.483,83.312)
U4_VBG: C14.1 U4.6 | length 2.5
  Top Layer w0.406: C14.1@40.64,68.692 40.759,68.81 U4.6@43.114,68.81
UART_RX: U5.31 UART1.2 | length 42.8
  Top Layer w0.254: v1(56.261,85.344) 56.519,85.602 U5.31@56.519,86.981 ; UART1.2@77.601,110.346 77.724,110.223 v1(77.724,103.505)
  Bottom Layer w0.254: v1(56.261,85.344) 56.887,85.344 58.741,87.198 70.18,87.198 73.533,90.551 73.533,99.06 77.724,103.251 v1(77.724,103.505)
UART_TX: U5.30 UART1.1 | length 42.7
  Top Layer w0.254: U5.30@57.019,86.981 57.019,85.602 v1(57.531,85.09) ; v1(78.76,103.271) 78.851,103.362 UART1.1@78.851,110.346
  Bottom Layer w0.254: v1(57.531,85.09) 59.182,86.741 70.37,86.741 73.99,90.362 73.99,98.501 v1(78.76,103.271)
VCC3V3: C26.2 C28.2 C30.2 C31.2 C32.2 C33.2 R30.1 R31.2 R37.1 R39.1 SW1.4 U5.1 U5.9 U5.24 U5.36 U5.48 U6.5 | length 114.9
  Top Layer w0.254: C33.2@50.18,80.137 50.224,80.181 U5.48@52.719,80.181 53.469,80.181 54.019,79.631 U5.1@54.019,78.881 ; C31.2@52.182,89.281 54.019,87.444 U5.36@54.019,86.981 ; U5.9@58.019,78.881 58.028,78.872 58.028,77.877 C32.2@60.452,75.453 61.187,74.718 61.187,68.364 61.86,67.691 62.073,67.691 R31.2@62.327,67.437 ; U5.24@60.819,85.681 62.767,85.681 62.872,85.576 C30.2@62.977,85.471
  Top Layer w0.61: C28.2@40.513,91.76 C26.2@42.545,91.76 U6.5@44.601,91.76 44.966,91.76 47.445,89.281 C31.2@52.182,89.281 ; v1(48.26,78.867) 49.657,78.867 50.18,79.39 C33.2@50.18,80.137 ; v1(55.118,63.373) 55.056,63.435 SW1.4@55.056,65.011 55.056,65.411 57.081,67.437 R31.2@62.327,67.437 ; C30.2@62.872,85.576 64.037,86.741 69.088,86.741 70.119,87.772 R37.1@70.119,88.468 R39.1@70.119,90.526 ; R30.1@70.119,92.583 R39.1@70.119,90.526 ; v1(70.122,90.526) R39.1@70.119,90.526
  Bottom Layer w0.61: v1(55.118,63.373) 52.451,63.373 48.26,67.564 v1(48.26,78.867) v1(48.26,89.281) 68.877,89.281 v1(70.122,90.526)
VCC12V: C21.2 C22.2 C39.2 C40.2 CAN1.4 CAN2.4 R26.2 R35.2 U*1.5 U*2.5 | length 112.7
  Top Layer w0.813: v1(27.454,89.894) v1(27.454,88.497) CAN1.4@30.607,88.497 ; v1(50.927,114.046) v1(51.943,114.046) 51.943,112.459 C40.2@51.625,112.141 ; v1(68.199,114.046) 69.215,114.046 v1@69.278,113.982 ; C22.2@69.278,111.506 v1@69.278,113.982 ; v1(69.342,114.046) v1@69.278,113.982 ; v1(88.392,93.472) v1(88.392,92.202) 88.409,92.219 CAN2.4@90.551,92.219
  Bottom Layer w0.813: v1(27.454,88.497) v1(27.454,89.894) 27.454,105.474 30.565,108.585 35.687,108.585 41.148,114.046 v1(50.927,114.046) v1(51.943,114.046) v1(68.199,114.046) v1(69.342,114.046) 79.375,114.046 88.392,105.029 v1(88.392,93.472) v1(88.392,92.202)
pads on no net: 1.B3.2 2.B3.2 3.B3.2 4.B3.2 CAN1.0 CAN2.0 CAN3.0 J1.5 JP1.0 JP2.0 JP3.0 JP4.0 JP7.0 JP8.0 SW1.0 U1.9 U1.10 U1.13 U2.9 U2.10 U2.13 U3.9 U3.10 U3.13 U4.9 U4.10 U4.13 U5.2 U5.3 U5.4 U5.10 U5.11 U5.21 U5.22 U5.25 U5.26 U5.29 U6.4 UART1.0
copper on no net:
  other v1: 34.29,61.087 86.741,61.087 32.893,61.722 35.687,61.722 85.344,61.722 88.138,61.722 32.258,63.119 36.322,63.119 84.709,63.119 88.773,63.119 32.893,64.516 35.687,64.516 85.344,64.516 88.138,64.516 34.29,65.151 86.741,65.151 34.29,110.236 86.741,110.236 32.893,110.871 35.687,110.871 85.344,110.871 88.138,110.871 32.258,112.268 36.322,112.268 84.709,112.268 88.773,112.268 32.893,113.665 35.687,113.665 85.344,113.665 88.138,113.665 34.29,114.3 86.741,114.3

## Polygon pours and split planes (outlines as drawn)
GND on Top Layer "Top Layer-GND" (solid, remove dead copper, pour order 8): 26.035,116.078 26.035,58.293 94.996,58.293 94.996,116.078
NetC35_2 on Top Layer "Top Layer-NetC35_2" (solid, remove dead copper, pour order 6): 50.257,108.931 50.257,107.661 49.876,107.661 49.149,106.934 48.006,106.934 47.717,106.645 47.717,104.613 48.098,104.613 48.225,104.486 48.225,98.898 48.098,98.771 46.066,98.771 45.812,99.025 45.812,106.137 47.717,108.042 48.479,108.042 49.368,108.931
NetC17_2 on Top Layer "Top Layer-NetC17_2" (solid, remove dead copper, pour order 4): 67.945,108.331 67.945,107.061 67.564,107.061 66.929,106.426 65.532,106.426 65.024,105.918 65.024,104.394 65.405,104.013 65.786,104.013 65.913,103.886 65.913,98.298 65.786,98.171 63.754,98.171 63.5,98.425 63.5,106.426 64.897,107.823 66.548,107.823 67.056,108.331
VCC12V on Top Layer "Top Layer-VCC12V" (solid, remove dead copper, pour order 2): 68.326,112.395 68.326,108.712 67.945,108.331 67.945,107.061 68.834,107.061 68.834,108.204 69.088,108.458 71.755,108.458 71.755,109.601 70.358,109.601 70.358,112.395
VCC12V on Top Layer "Top Layer-VCC12V 1" (solid, remove dead copper, pour order 0): 50.673,113.03 50.673,109.347 50.292,108.966 50.292,107.696 51.181,107.696 51.181,108.839 51.435,109.093 54.102,109.093 54.102,110.236 52.705,110.236 52.705,113.03
GND on Bottom Layer "Bottom Layer-GND" (solid, remove dead copper, pour order 10): 25.908,117.977 25.908,57.023 92.964,57.023 95.504,59.563 95.123,59.944 95.123,116.338

## Other copper
Top Layer:
  pour cut-out: 45.009,83.943 45.009,81.644 45.153,81.788 46.101,81.788 46.101,83.866 46.177,83.943
  pour cut-out: 45.009,87.149 45.009,85.679 45.893,85.679 45.974,85.598 46.177,85.801 46.177,87.149
  pour cut-out: 75.108,80.228 75.108,77.76 76.276,77.76 76.276,80.058
  pour cut-out: 75.108,83.403 75.108,80.935 76.276,80.935 76.276,83.403
  pour cut-out: 75.005,86.636 75.005,84.126 75.184,83.947 75.565,84.328 76.581,84.328 76.581,86.868 76.454,86.995
  pour cut-out: 43.485,79.436 43.485,78.268 43.521,78.232 46.228,78.232 46.228,79.765 46.177,79.815 43.864,79.815
  pour cut-out: 54.646,98.882 54.717,98.811 54.717,95.707 57.257,95.707 57.257,98.882
  pour cut-out: 48.895,107.061 48.895,106.386 48.793,106.284 48.839,106.237 50.328,106.237 50.328,107.4 50.067,107.661
  pour cut-out: 66.23,106.426 66.27,106.387 66.27,105.649 67.934,105.649 67.981,105.602 67.981,106.854
  pour cut-out: 69.881,104.485 69.881,102.224 69.979,102.126 70.088,102.235 71.12,102.235 71.12,104.633
  pour cut-out: 52.228,105.12 52.324,105.024 52.324,104.14 54.044,104.14 54.094,104.19 53.848,104.436 53.848,105.156
  pour cut-out: 52.324,104.14 52.324,101.6 52.487,101.763 55.575,101.763 55.575,104.231
  pour cut-out: 70.536,103.596 70.536,101.298 73.058,101.298 73.228,101.128 73.279,101.179 73.279,103.759
  pour cut-out: 80.645,86.614 80.645,78.654 80.477,78.486 84.709,78.486 85.471,77.724 91.313,77.724 91.313,81.28 90.551,82.042 88.138,82.042 83.566,86.614
  pour cut-out: 29.604,81.251 29.604,76.294 34.208,76.294 37.162,79.248 39.243,79.248 39.243,86.233 39.116,86.106 37.211,86.106 37.211,85.598 32.864,81.251
  pour cut-out: 65.964,93.21 65.964,91.872 65.532,91.44 62.992,91.44 62.992,87.503 63.246,87.757 70.866,87.757 70.866,93.37 70.917,93.421
  pour cut-out: 43.942,93.98 43.942,91.44 46.863,91.44 46.99,91.567 46.863,91.694 46.863,93.98
  pour cut-out: 79.739,101.557 79.739,91.594 80.572,90.762 85.962,90.762 91.152,95.952 95.868,95.952 95.868,107.907 95.741,108.034 86.216,108.034
  pour cut-out: 95.826,72.707 87.952,72.707 84.523,76.136 75.252,76.136 74.363,75.247 74.363,58.61 96.452,58.61
  pour cut-out: 25.4,73.025 25.4,59.69 44.704,59.69 44.704,74.07 43.844,74.93 32.131,74.93 30.226,73.025
  pour cut-out: 25.146,95.25 37.846,95.25 40.259,97.663 40.259,107.442 38.862,108.839 25.146,108.839
  pour cut-out: 45.593,106.934 45.593,105.664 46.685,105.664 46.685,107.01
Bottom Layer:
  pour cut-out: 79.574,101.418 79.574,91.456 80.407,90.623 85.797,90.623 90.987,95.813 95.703,95.813 95.703,107.768 95.576,107.895 86.051,107.895
  pour cut-out: 95.758,72.898 87.884,72.898 84.455,76.327 75.184,76.327 74.295,75.438 74.295,58.801 96.385,58.801
  pour cut-out: 25.4,73.025 25.4,59.69 44.704,59.69 44.704,74.07 42.955,75.819 33.02,75.819 30.226,73.025
  pour cut-out: 25.146,95.25 37.846,95.25 40.259,97.663 40.259,107.442 38.862,108.839 25.146,108.839

## Silkscreen, mask and mechanical layers (free items; w line width, h text height)
Top Overlay:
  circle w0.127: c22.555,99.258 r0.75
  circle w0.127: c22.555,74.258 r0.75
  circle w0.127: c98.857,99.351 r0.75
  circle w0.127: c98.857,74.351 r0.75
  pour cut-out: 75.042,86.644 75.042,84.044 76.342,84.044 76.342,86.644
  lines w0.152: 25.273,66.929 25.273,106.68 ; 96.012,66.929 96.012,106.807
  text "UART" at 80.772,109.728 h1.27
  text "5V/CAN" at 58.039,108.204 h1.27
  text "sensor" at 90.297,107.95 h1.27 r270
  text "JLCJLCJLCJLC" at 42.291,98.552 h1.27 r90
  text "sensor" at 30.988,96.012 h1.27 r90
  text "HX711" at 35.179,95.758 h1.27
  text "12V/CAN" at 88.392,92.202 h1.27 r270
  text "HX711" at 80.899,89.916 h1.27
  text "12V/CAN" at 32.893,87.757 h1.27 r90
  text "RGB" at 31.242,82.296 h1.27 r90
  text "RGB" at 89.281,73.66 h1.27 r90
  text "sensor" at 90.297,73.025 h1.27 r270
  text "HX711" at 41.656,64.77 h1.27
  text "HX711" at 74.676,63.373 h1.27
  text "sensor" at 30.988,61.214 h1.27 r90
Mechanical 1:
  lines w0.254: 17.78,65.438 17.78,108.077 25.146,108.077 25.527,108.077 25.527,115.443 95.631,115.443 95.631,108.171 96.266,108.171 103.632,108.171 103.632,65.532 102.997,65.532 97.028,65.532 96.266,65.532 95.631,65.532 95.631,59.69 25.527,59.69 25.527,65.438 25.146,65.438 17.78,65.438
Drill Drawing:
  lines w0.152: 17.78,65.438 17.78,108.077 18.415,108.077 24.384,108.077 25.146,108.077 25.527,108.077 25.527,115.443 95.631,115.443 95.631,108.171 96.266,108.171 98.171,108.171 103.632,108.171 103.632,65.532 102.997,65.532 97.028,65.532 96.266,65.532 95.631,65.532 95.631,59.69 25.527,59.69 25.527,65.438 25.146,65.438 23.241,65.438 17.78,65.438

## Dimensions
95.631,59.69 to 95.631,115.443 on Bottom Solder
17.78,65.438 to 103.632,65.532 on Bottom Solder